# Altium PCB Thermostat_EEM.PCBDOC (part 6 of 10) (continued)
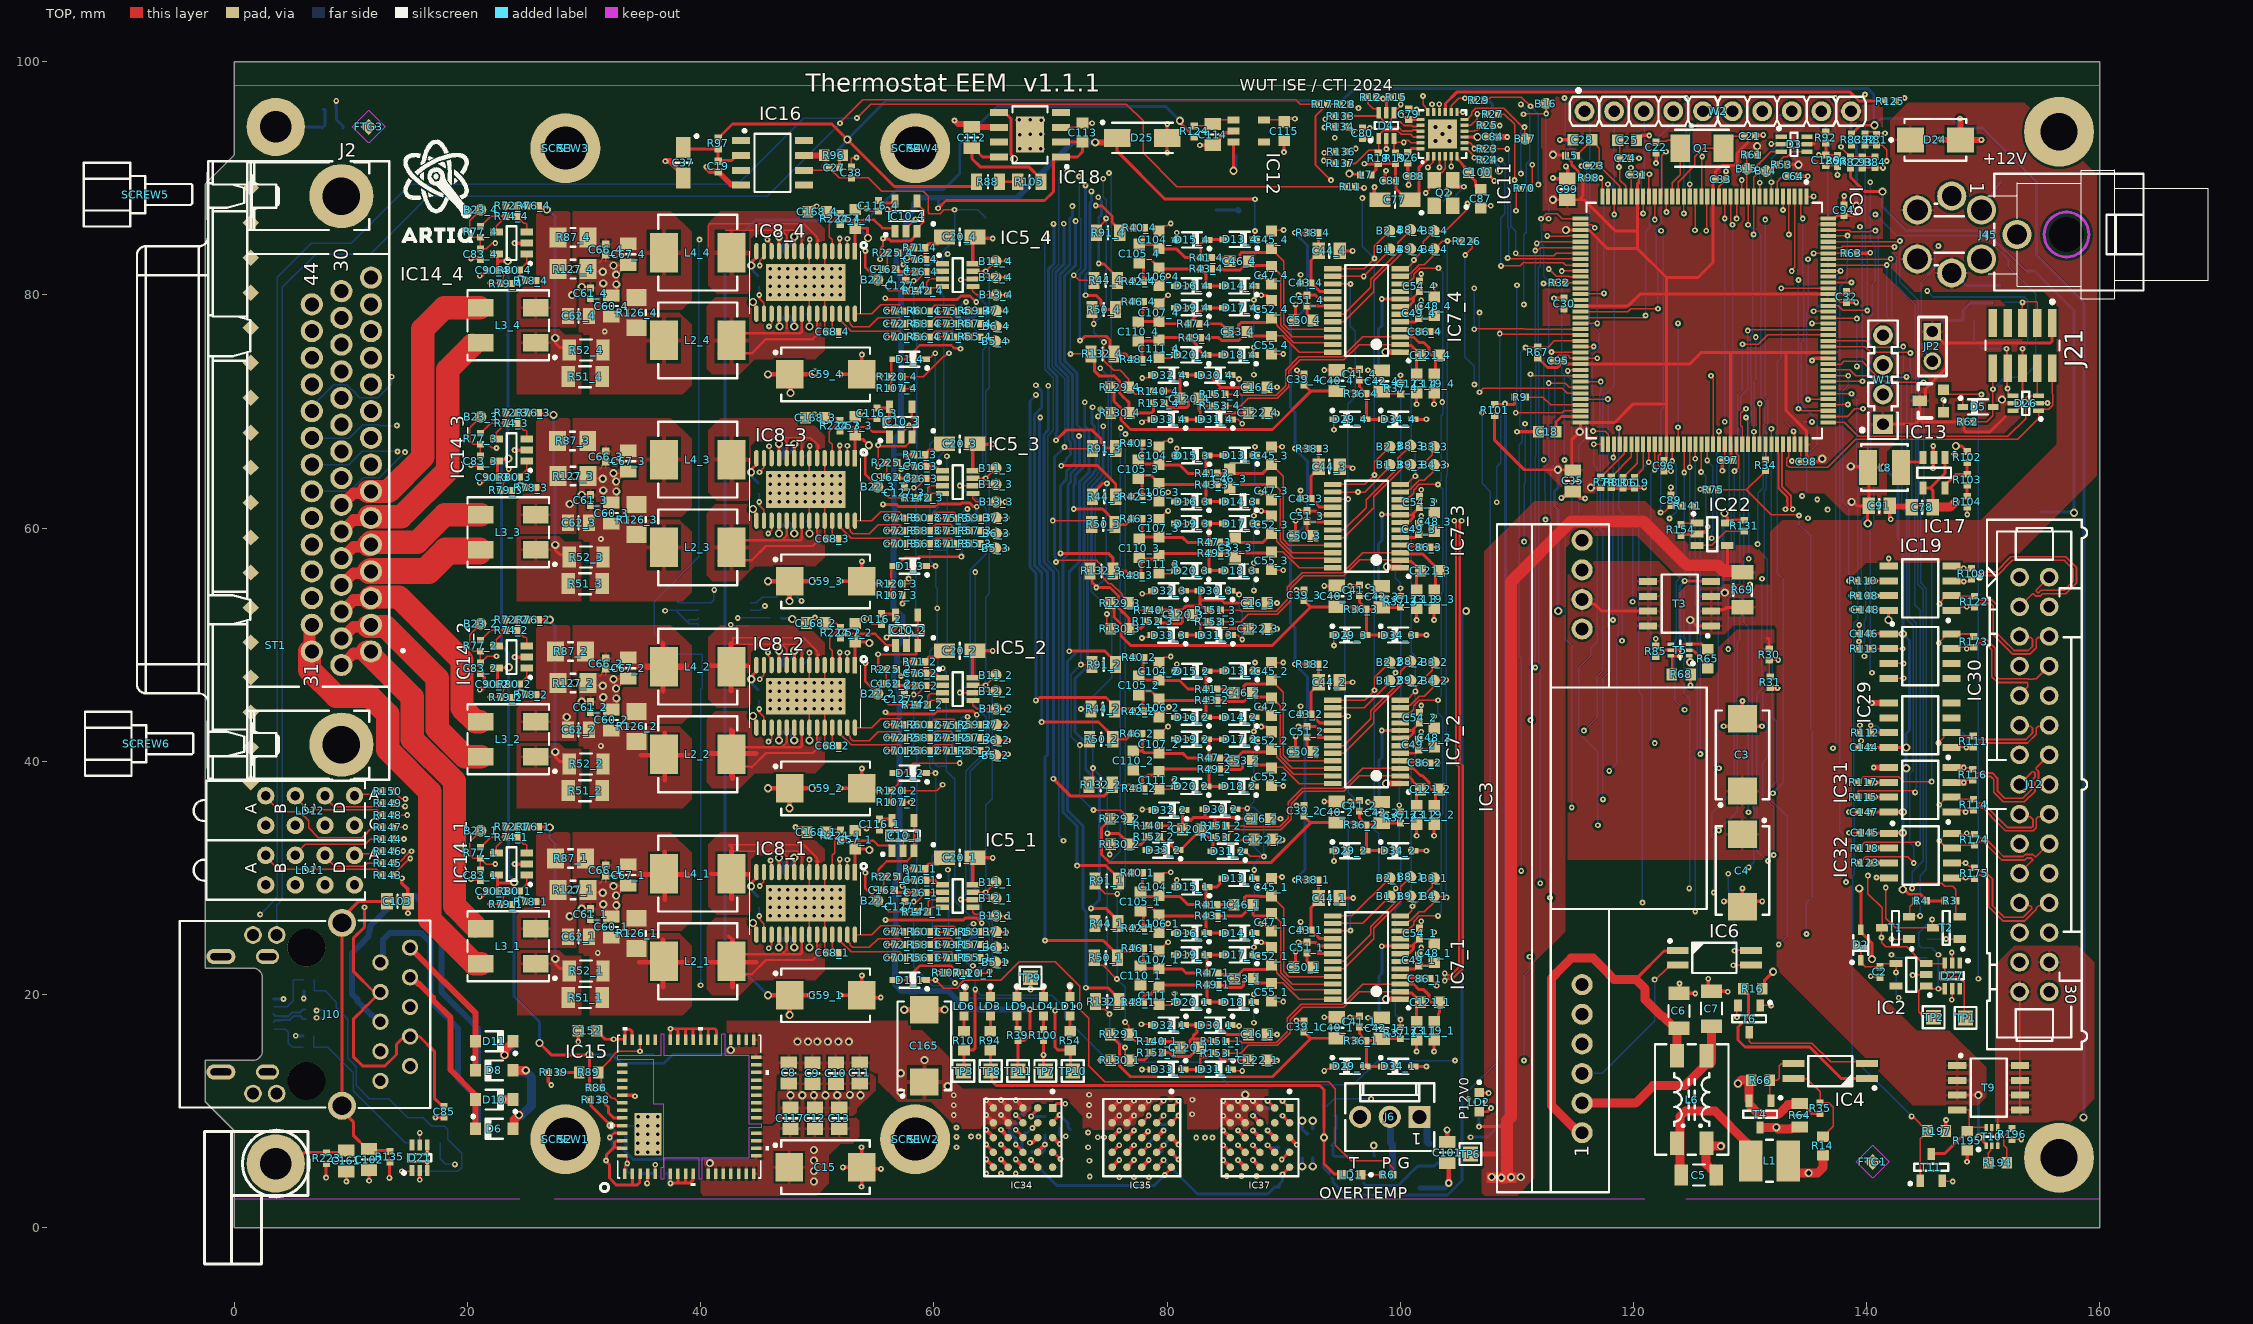
[diagram p0: TOP view]
## Nets (pads, with @x,y where several pads share a name; then routed paths per layer and width w, separated by ;. In a path a pad name is that pad's centre, name@x,y a point inside that pad or via, vN(x,y) a via of type N, cw(c..) or ccw(c..) an arc to the next point about the centre after c; other vN are vias at no path point) (continued)
NetC27_2: C27.2 R96.2 | length 1.2
  TOP w0.254: C27.2@51.9,90.925 51.9,91.675 R96.2@52.2,91.975
NetC34_2: C34.2 IC15.4 R95.1 | length 2.9
  TOP w0.254: v1(35.406,3.81) 35.453,3.857 35.453,4.432 35.482,4.461 IC15.4@35.482,4.547
  BOT w0.254: C34.2@34.801,4.645 34.819,4.662 35.406,4.662 ; v1(35.406,3.81) 35.406,4.662 ; R95.1@36.016,4.699 35.979,4.662 35.406,4.662
NetC36_2: C36.2 IC11.4 Q2.3 | length 5.1
  TOP w0.127: v1(102.193,88.75) 102.477,89.034 102.477,89.407 Q2.3@102.92,89.85 102.92,89.975 103.431,90.487 103.538,90.487 103.87,90.818 IC11.4@103.87,91.9
  BOT w0.127: v1@102.295,88.85 C36.2@103.17,89.725
NetC45_1_1: C45_1.1 C46_1.1 IC7_1.21 R41_1.2 | length 16.5
  TOP w0.127: C45_1.1@88.955,28.423 88.98,28.423 90,27.402 90,21.997 90.449,21.548 IC7_1.21@94.221,21.548
  TOP w0.254: R41_1.2@84.3,27.708 86.479,27.708 86.628,27.856 86.628,28.313 86.777,28.462 87.937,28.462 87.976,28.423 C45_1.1@88.955,28.423
NetC45_2_1: C45_2.1 C46_2.1 IC7_2.21 R41_2.2 | length 16.8
  TOP w0.127: C45_2.1@88.955,46.923 88.98,46.923 89.956,45.947 89.956,40.541 90.449,40.048 IC7_2.21@94.221,40.048
  TOP w0.254: R41_2.2@84.3,46.208 85.411,46.208 C46_2.1@85.738,45.88 86.461,45.88 86.609,46.029 86.609,46.485 86.758,46.634 88.666,46.634 C45_2.1@88.955,46.923
NetC45_3_1: C45_3.1 C46_3.1 IC7_3.21 R41_3.2 | length 16.2
  TOP w0.127: C45_3.1@88.955,65.423 88.98,65.423 89.956,64.447 89.956,59.041 90.449,58.548 IC7_3.21@94.221,58.548
  TOP w0.254: R41_3.2@84.3,64.708 88.214,64.708 88.93,65.423 C45_3.1@88.955,65.423
NetC45_4_1: C45_4.1 C46_4.1 IC7_4.21 R41_4.2 | length 17.2
  TOP w0.127: C45_4.1@88.955,83.923 88.98,83.923 90,82.902 90,77.497 90.449,77.048 IC7_4.21@94.221,77.048
  TOP w0.254: R41_4.2@83.83,83.208 85.077,83.208 C46_4.1@85.38,82.905 86.102,82.905 86.251,83.054 86.251,83.51 86.4,83.659 88.691,83.659 C45_4.1@88.955,83.923
NetC46_1_2: C46_1.2 C47_1.2 IC7_1.22 R43_1.2 | length 16.4
  TOP w0.127: C47_1.2@88.955,26.991 88.98,26.991 89.746,26.224 89.746,21.892 90.74,20.898 IC7_1.22@94.221,20.898
  TOP w0.254: R43_1.2@84.3,26.74 86.415,26.74 87.357,27.683 C46_1.2@87.357,27.708 87.357,26.889 87.506,26.74 88.704,26.74 C47_1.2@88.955,26.991
NetC46_2_2: C46_2.2 C47_2.2 IC7_2.22 R43_2.2 | length 15.5
  TOP w0.127: C47_2.2@88.955,45.491 88.98,45.491 89.702,44.769 89.702,40.436 90.74,39.398 IC7_2.22@94.221,39.398
  TOP w0.254: R43_2.2@84.3,45.24 85.044,45.24 85.158,45.126 86.609,45.126 C46_2.2@87.338,45.855 ; C46_2.2@87.338,45.88 C46_2.2@87.338,45.855 ; C47_2.2@88.955,45.491 88.938,45.507 87.686,45.507 C46_2.2@87.338,45.855
NetC46_3_2: C46_3.2 C47_3.2 IC7_3.22 R43_3.2 | length 15.1
  TOP w0.127: C47_3.2@88.955,63.991 88.98,63.991 89.702,63.269 89.702,58.936 90.74,57.898 IC7_3.22@94.221,57.898
  TOP w0.254: R43_3.2@84.3,63.74 88.704,63.74 C47_3.2@88.955,63.991
NetC46_4_2: C46_4.2 C47_4.2 IC7_4.22 R43_4.2 | length 16
  TOP w0.127: C47_4.2@88.955,82.491 88.98,82.491 89.746,81.724 89.746,77.392 90.74,76.398 IC7_4.22@94.221,76.398
  TOP w0.254: R43_4.2@83.83,82.24 84.71,82.24 84.8,82.151 86.251,82.151 C46_4.2@86.98,82.88 ; C46_4.2@86.98,82.905 C46_4.2@86.98,82.88 ; C47_4.2@88.955,82.491 88.913,82.532 87.328,82.532 C46_4.2@86.98,82.88
NetC48_1_2: C48_1.2 C49_1.1 IC7_1.5 | length 3.1
  TOP w0.254: IC7_1.5@100.021,22.198 101.315,22.198 C49_1.1@101.596,22.479 102.642,22.479 C48_1.2@102.903,22.739
NetC48_2_2: C48_2.2 C49_2.1 IC7_2.5 | length 3.1
  TOP w0.254: IC7_2.5@100.021,40.698 101.315,40.698 C49_2.1@101.596,40.979 102.642,40.979 C48_2.2@102.903,41.239
NetC48_3_2: C48_3.2 C49_3.1 IC7_3.5 | length 3.1
  TOP w0.254: IC7_3.5@100.021,59.198 101.315,59.198 C49_3.1@101.596,59.479 102.642,59.479 C48_3.2@102.903,59.739
NetC48_4_2: C48_4.2 C49_4.1 IC7_4.5 | length 3.1
  TOP w0.254: IC7_4.5@100.021,77.698 101.315,77.698 C49_4.1@101.596,77.979 102.642,77.979 C48_4.2@102.903,78.239
NetC50_1_2: C50_1.2 C51_1.1 IC7_1.18 | length 3.7
  TOP w0.254: C50_1.2@92.503,22.339 92.503,22.364 92.003,22.864 C51_1.1@92.003,23.586 92.046,23.542 94.177,23.542 IC7_1.18@94.221,23.498
NetC50_2_2: C50_2.2 C51_2.1 IC7_2.18 | length 3.7
  TOP w0.254: C50_2.2@92.503,40.839 92.503,40.864 92.003,41.364 C51_2.1@92.003,42.086 92.046,42.042 94.177,42.042 IC7_2.18@94.221,41.998
NetC50_3_2: C50_3.2 C51_3.1 IC7_3.18 | length 3.7
  TOP w0.254: C50_3.2@92.503,59.339 92.503,59.364 92.003,59.864 C51_3.1@92.003,60.586 92.046,60.542 94.177,60.542 IC7_3.18@94.221,60.498
NetC50_4_2: C50_4.2 C51_4.1 IC7_4.18 | length 3.7
  TOP w0.254: C50_4.2@92.503,77.839 92.503,77.864 92.003,78.364 C51_4.1@92.003,79.086 92.046,79.042 94.177,79.042 IC7_4.18@94.221,78.998
NetC52_1_1: C52_1.1 C53_1.1 IC7_1.23 R47_1.2 | length 11.5
  TOP w0.127: C52_1.1@88.955,22.489 88.98,22.489 89.391,22.077 89.391,21.888 90.869,20.41 93.863,20.41 IC7_1.23@94.123,20.15
  TOP w0.254: R47_1.2@84.371,21.852 84.481,21.741 85.461,21.741 C53_1.1@85.809,21.393 ; C53_1.1@85.809,21.368 C53_1.1@85.809,21.393 ; C52_1.1@88.955,22.489 88.607,22.141 86.557,22.141 C53_1.1@85.809,21.393
NetC52_2_1: C52_2.1 C53_2.1 IC7_2.23 R47_2.2 | length 11.2
  TOP w0.127: C52_2.1@88.955,40.989 88.98,40.989 89.391,40.577 89.391,40.388 90.869,38.91 93.863,38.91 IC7_2.23@94.123,38.65
  TOP w0.254: R47_2.2@84.528,40.292 85.488,40.292 C53_2.1@85.732,40.048 85.732,40.073 86.461,40.802 88.768,40.802 C52_2.1@88.955,40.989
NetC52_3_1: C52_3.1 C53_3.1 IC7_3.23 R47_3.2 | length 11
  TOP w0.127: C52_3.1@88.955,59.489 88.98,59.489 89.391,59.077 89.391,58.888 90.869,57.41 93.863,57.41 IC7_3.23@94.123,57.15
  TOP w0.254: R47_3.2@84.528,58.792 88.233,58.792 88.93,59.489 C52_3.1@88.955,59.489
NetC52_4_1: C52_4.1 C53_4.1 IC7_4.23 R47_4.2 | length 13.5
  TOP w0.127: C52_4.1@88.955,77.989 88.98,77.989 89.391,77.577 89.391,77.388 90.869,75.91 93.863,75.91 IC7_4.23@94.123,75.65
  TOP w0.254: R47_4.2@82.76,77.532 84.607,77.532 85.271,76.868 C53_4.1@85.271,76.843 85.994,76.843 86.142,76.992 86.142,77.448 86.335,77.641 88.607,77.641 C52_4.1@88.955,77.989
NetC53_1_2: C53_1.2 C55_1.2 IC7_1.24 R49_1.2 | length 11.2
  TOP w0.127: C55_1.2@88.955,20.995 89.924,20.995 91.321,19.598 IC7_1.24@94.221,19.598
  TOP w0.254: R49_1.2@84.38,20.842 84.429,20.793 85.051,20.793 85.229,20.614 86.39,20.614 86.538,20.763 86.538,21.219 86.687,21.368 C53_1.2@87.409,21.368 87.409,21.343 87.757,20.995 88.748,20.995 C55_1.2@88.851,20.892
NetC53_2_2: C53_2.2 C55_2.2 IC7_2.24 R49_2.2 | length 11.1
  TOP w0.127: C55_2.2@88.955,39.495 89.924,39.495 91.321,38.098 IC7_2.24@94.221,38.098
  TOP w0.254: R49_2.2@84.528,39.342 84.575,39.294 86.312,39.294 86.461,39.443 86.461,39.899 86.609,40.048 C53_2.2@87.332,40.048 87.332,40.023 87.68,39.675 88.775,39.675 C55_2.2@88.955,39.495
NetC53_3_2: C53_3.2 C55_3.2 IC7_3.24 R49_3.2 | length 10.2
  TOP w0.127: C55_3.2@88.955,57.995 89.924,57.995 91.321,56.598 IC7_3.24@94.221,56.598
  TOP w0.254: R49_3.2@84.528,57.842 85.789,57.842 85.837,57.89 88.849,57.89 C55_3.2@88.851,57.892
NetC53_4_2: C53_4.2 C55_4.2 IC7_4.24 R49_4.2 | length 12.5
  TOP w0.127: C55_4.2@88.955,76.495 89.924,76.495 91.321,75.098 IC7_4.24@94.221,75.098
  TOP w0.254: R49_4.2@82.898,76.342 84.439,76.342 84.691,76.089 86.142,76.089 86.871,76.818 C53_4.2@86.871,76.843 87.219,76.495 C55_4.2@88.955,76.495
NetC64_2: C64.2 IC9.6 | length 2.4
  TOP w0.127: IC9.6@132.328,88.444 132.328,89.717 132.646,90.035 133.101,90.035 C64.2@133.253,90.187
NetC65_2: C65.2 IC11.5 Q2.1 | length 5.4
  TOP w0.127: v1(104.168,88.75) 104.168,88.002 Q2.1@104.52,87.65 ; v1(104.37,91.03) IC11.5@104.37,91.9
  L2 w0.127: v1(104.168,88.75) 104.168,90.727 104.37,90.929 v1(104.37,91.03)
  BOT w0.127: C65.2@103.639,88.005 104.096,88.462 104.096,88.679 v1(104.168,88.75)
NetC68_1_2: C68_1.2 IC8_1.25 | length 1.8
  TOP w0.127: IC8_1.25@51.282,25.145 51.307,25.12 51.307,24.04 C68_1.2@51.757,23.59
NetC68_2_2: C68_2.2 IC8_2.25 | length 1.8
  TOP w0.127: IC8_2.25@51.282,42.895 51.307,42.87 51.307,41.79 C68_2.2@51.757,41.34
NetC68_3_2: C68_3.2 IC8_3.25 | length 1.8
  TOP w0.127: IC8_3.25@51.282,60.645 51.307,60.62 51.307,59.54 C68_3.2@51.757,59.09
NetC68_4_2: C68_4.2 IC8_4.25 | length 1.8
  TOP w0.127: IC8_4.25@51.282,78.395 51.307,78.37 51.307,77.29 C68_4.2@51.757,76.84
NetC71_1_1: C71_1.1 R55_1.2 R56_1.1 | length 3.8
  TOP w0.127: R56_1.1@59.62,23.157 59.62,23.177 60.101,23.658 61.475,23.658 C71_1.1@61.975,23.157 R55_1.2@63.025,23.157
NetC71_2_1: C71_2.1 R55_2.2 R56_2.1 | length 3.8
  TOP w0.127: R56_2.1@59.62,40.907 59.62,40.927 60.101,41.408 61.475,41.408 C71_2.1@61.975,40.907 R55_2.2@63.025,40.907
NetC71_3_1: C71_3.1 R55_3.2 R56_3.1 | length 3.8
  TOP w0.127: R56_3.1@59.62,58.657 59.62,58.677 60.101,59.158 61.475,59.158 C71_3.1@61.975,58.657 R55_3.2@63.025,58.657
NetC71_4_1: C71_4.1 R55_4.2 R56_4.1 | length 3.8
  TOP w0.127: R56_4.1@59.62,76.407 59.62,76.427 60.101,76.908 61.475,76.908 C71_4.1@61.975,76.407 R55_4.2@63.025,76.407
NetC73_1_1: C73_1.1 R57_1.2 R58_1.1 | length 3.9
  TOP w0.127: R58_1.1@59.62,24.286 59.62,24.306 60.144,24.83 61.431,24.83 C73_1.1@61.975,24.286 R57_1.2@63.055,24.286
NetC73_2_1: C73_2.1 R57_2.2 R58_2.1 | length 3.9
  TOP w0.127: R58_2.1@59.62,42.036 59.62,42.056 60.144,42.58 61.431,42.58 C73_2.1@61.975,42.036 R57_2.2@63.055,42.036
NetC73_3_1: C73_3.1 R57_3.2 R58_3.1 | length 3.9
  TOP w0.127: R58_3.1@59.62,59.786 59.62,59.806 60.144,60.33 61.431,60.33 C73_3.1@61.975,59.786 R57_3.2@63.055,59.786
NetC73_4_1: C73_4.1 R57_4.2 R58_4.1 | length 3.9
  TOP w0.127: R58_4.1@59.62,77.536 59.62,77.556 60.144,78.08 61.431,78.08 C73_4.1@61.975,77.536 R57_4.2@63.055,77.536
NetC75_1_1: C75_1.1 R59_1.2 R60_1.1 | length 4.1
  TOP w0.127: R60_1.1@59.62,25.383 60.095,25.858 61.701,25.858 61.775,25.784 61.775,25.345 63.018,25.345 R59_1.2@63.055,25.383
NetC75_2_1: C75_2.1 R59_2.2 R60_2.1 | length 4.1
  TOP w0.127: R60_2.1@59.62,43.133 60.095,43.608 61.701,43.608 61.775,43.534 61.775,43.095 63.018,43.095 R59_2.2@63.055,43.133
NetC75_3_1: C75_3.1 R59_3.2 R60_3.1 | length 4.1
  TOP w0.127: R60_3.1@59.62,60.883 60.095,61.358 61.701,61.358 61.775,61.284 61.775,60.845 63.018,60.845 R59_3.2@63.055,60.883
NetC75_4_1: C75_4.1 R59_4.2 R60_4.1 | length 4.1
  TOP w0.127: R60_4.1@59.62,78.633 60.095,79.108 61.701,79.108 61.775,79.034 61.775,78.595 63.018,78.595 R59_4.2@63.055,78.633
NetC82_2: C82.2 D28.2 R121.1 T8.1 | length 5.4
  BOT w0.254: C82.2@94.388,9.68 94.505,9.562 R121.1@94.505,8.502 ; R121.1@94.408,8.502 94.408,7.346 94.121,7.059 94.244,6.936 94.244,6.257 94.392,6.108 95.862,6.108 T8.1@95.888,6.135
NetC86_1_1: C86_1.1 IC7_1.4 | length 1.6
  TOP w0.254: IC7_1.4@100.021,21.548 100.111,21.458 C86_1.1@101.563,21.458
NetC86_2_1: C86_2.1 IC7_2.4 | length 1.7
  TOP w0.254: IC7_2.4@100.021,40.048 100.111,39.958 101.563,39.958 C86_2.1@101.653,39.868
NetC86_3_1: C86_3.1 IC7_3.4 | length 1.7
  TOP w0.254: IC7_3.4@100.021,58.548 100.111,58.458 101.563,58.458 C86_3.1@101.653,58.368
NetC86_4_1: C86_4.1 IC7_4.4 | length 1.6
  TOP w0.254: IC7_4.4@100.021,77.048 100.111,76.958 C86_4.1@101.563,76.958
NetC87_2: C87.2 C100.2 IC11.6 | length 3.7
  TOP w0.254: IC11.6@104.87,91.9 104.883,91.887 104.883,91.682 105.297,91.268 105.297,91.223 106.078,90.442 106.078,90.129 106.437,89.769 106.437,89.361 106.623,89.175 C87.2@106.901,89.175
NetC102_1: C102.1 C103.1 J10.S1 J10.S2 R135.1 | length 27.6
  TOP w0.254: J10.S2@9.004,10.3 10.212,9.092 10.212,7.926 C102.1@11.389,6.75 ; J10.S1@9.004,25.79 8.739,26.055 10.684,28 C103.1@13.1,28 ; J10.S2@9.239,10.465 J10.S1@9.239,26.155 ; C102.1@11.564,6.75 11.678,6.636 13.274,6.636 R135.1@13.356,6.553
NetC104_1_1: C104_1.1 C105_1.1 D13_1.2 D15_1.1 R40_1.2 R41_1.1 | length 11.3
  TOP w0.254: R40_1.2@77.9,30.443 77.9,28.952 C105_1.1@77.723,28.775 78.071,28.427 79.203,28.427 C104_1.1@79.292,28.338 ; C104_1.1@79.292,28.431 81.069,28.431 81.793,27.708 R41_1.1@83.36,27.708 83.36,29.148 83.447,29.235 84.27,29.235 84.557,29.522 84.557,29.839 84.68,29.962 D13_1.2@84.88,29.962
NetC104_2_1: C104_2.1 C105_2.1 D13_2.2 D15_2.1 R40_2.2 R41_2.1 | length 11.3
  TOP w0.254: C105_2.1@77.583,47.311 77.608,47.311 77.956,47.659 77.956,48.816 R40_2.2@78.053,48.913 ; C105_2.1@77.59,47.311 77.938,46.963 79.167,46.963 C104_2.1@79.292,46.838 ; C104_2.1@79.292,46.931 81.069,46.931 81.793,46.208 R41_2.1@83.36,46.208 83.36,47.648 83.456,47.744 85.088,47.744 D13_2.2@85.089,47.743
NetC104_3_1: C104_3.1 C105_3.1 D13_3.2 D15_3.1 R40_3.2 R41_3.1 | length 11.2
  TOP w0.254: R40_3.2@77.864,67.306 77.864,66.202 C105_3.1@77.519,65.858 77.867,65.51 79.12,65.51 C104_3.1@79.292,65.338 ; C104_3.1@79.292,65.431 81.069,65.431 81.793,64.708 R41_3.1@83.36,64.708 83.36,66.148 83.456,66.244 85.088,66.244 D13_3.2@85.089,66.243
NetC104_4_1: C104_4.1 C105_4.1 D13_4.2 D15_4.1 R40_4.2 R41_4.1 | length 10.7
  TOP w0.254: C105_4.1@77.618,84.348 C105_4.1@77.938,84.348 ; R40_4.2@78.088,85.775 78.088,85.084 77.991,84.987 77.991,84.401 C105_4.1@77.938,84.348 ; C104_4.1@79.292,83.931 79.267,83.931 78.85,84.348 C105_4.1@77.938,84.348 ; C104_4.1@79.36,83.838 79.453,83.931 80.834,83.931 81.558,83.208 R41_4.1@82.89,83.208 82.89,84.378 83.256,84.744 85.088,84.744 D13_4.2@85.089,84.743
NetC105_1_2: C105_1.2 C106_1.2 D14_1.2 D16_1.1 R42_1.2 R43_1.1 | length 10.7
  TOP w0.254: R42_1.2@77.99,25.696 77.99,26.908 C105_1.2@77.723,27.175 78.071,27.523 78.35,27.523 78.36,27.534 78.614,27.534 79.267,26.881 79.292,26.881 79.432,26.74 R43_1.1@83.36,26.74 83.36,25.321 D16_1.1@83.399,25.282 D14_1.2@84.894,25.282
NetC105_2_2: C105_2.2 C106_2.2 D14_2.2 D16_2.1 R42_2.2 R43_2.1 | length 10.8
  TOP w0.254: R42_2.2@77.989,44.298 77.956,44.331 77.956,45.363 77.608,45.711 C105_2.2@77.583,45.711 77.905,46.034 78.614,46.034 79.267,45.381 79.292,45.381 79.432,45.24 R43_2.1@83.36,45.24 83.36,43.821 D16_2.1@83.399,43.782 D14_2.2@84.894,43.782
NetC105_3_2: C105_3.2 C106_3.2 D14_3.2 D16_3.1 R42_3.2 R43_3.1 | length 10.9
  TOP w0.254: R42_3.2@77.864,62.713 77.864,63.913 C105_3.2@77.519,64.258 77.796,64.534 78.614,64.534 79.267,63.881 79.292,63.881 79.432,63.74 R43_3.1@83.36,63.74 83.36,62.321 D16_3.1@83.399,62.282 D14_3.2@84.894,62.282
NetC105_4_2: C105_4.2 C106_4.2 D14_4.2 D16_4.1 R42_4.2 R43_4.1 | length 10.6
  TOP w0.254: R42_4.2@77.989,81.183 77.989,82.4 77.641,82.748 C105_4.2@77.618,82.748 77.903,83.034 78.614,83.034 79.267,82.381 79.292,82.381 79.432,82.24 R43_4.1@82.89,82.24 82.89,82.22 83.36,81.75 83.36,80.905 83.399,80.865 D16_4.1@83.399,80.782 D14_4.2@84.894,80.782
NetC107_1_1: C107_1.1 C110_1.1 D17_1.2 D19_1.1 R46_1.2 R47_1.1 | length 10.6
  TOP w0.254: R46_1.2@77.99,23.978 77.99,22.698 C110_1.1@77.728,22.436 77.923,22.242 79.239,22.242 79.292,22.189 81.298,22.189 81.635,21.852 R47_1.1@83.431,21.852 D19_1.1@83.431,23.275 ; D19_1.1@83.399,23.398 83.465,23.333 D19_1.1@83.465,23.275 ; D19_1.1@83.465,23.398 D17_1.2@84.915,23.398
NetC107_2_1: C107_2.1 C110_2.1 D17_2.2 D19_2.1 R46_2.2 R47_2.1 | length 11.3
  TOP w0.254: C110_2.1@77.103,40.873 77.908,40.873 ; R46_2.2@77.869,42.387 77.908,42.348 77.908,40.873 ; R47_2.1@83.588,40.292 81.744,40.292 81.346,40.689 79.292,40.689 79.239,40.742 78.04,40.742 77.908,40.873 ; R47_2.1@83.588,40.312 83.588,41.775 83.465,41.898 D17_2.2@84.915,41.898
NetC107_3_1: C107_3.1 C110_3.1 D17_3.2 D19_3.1 R46_3.2 R47_3.1 | length 11
  TOP w0.254: C110_3.1@77.608,59.078 C110_3.1@77.772,59.242 ; R46_3.2@77.873,60.814 77.873,59.343 C110_3.1@77.772,59.242 ; D19_3.1@83.399,60.398 D17_3.2@84.915,60.398 ; D19_3.1@83.465,60.398 83.588,60.275 R47_3.1@83.588,58.812 ; R47_3.1@83.588,58.792 81.744,58.792 81.346,59.189 79.292,59.189 79.239,59.242 C110_3.1@77.772,59.242
NetC107_4_1: C107_4.1 C110_4.1 D17_4.2 D19_4.1 R46_4.2 R47_4.1 | length 9.8
  TOP w0.254: R46_4.2@77.989,79.441 77.989,78.673 77.917,78.601 77.917,78.016 77.569,77.668 C110_4.1@77.544,77.668 77.618,77.742 79.239,77.742 79.449,77.532 R47_4.1@81.82,77.532 81.82,77.552 82.514,78.245 82.546,78.245 83.199,78.898 D19_4.1@83.399,78.898 ; D19_4.1@83.588,78.898 D17_4.2@84.915,78.898
NetC109_2: C109.2 D21.5 FB1.1 R73.2 | length 16.3
  TOP w0.127: D21.5@15.9,7.1 15.9,8.135 v1(15.904,8.138)
  BOT w0.127: C109.2@6.784,16.431 6.819,16.396 FB1.1@6.819,15.481 8.037,15.481 10.219,13.299 10.219,11.742 14.686,7.275 R73.2@16.075,7.275 ; R73.2@15.904,7.397 v1(15.904,8.138)
NetC110_1_2: C110_1.2 C111_1.2 D18_1.2 D20_1.1 R48_1.2 R49_1.1 | length 10.4
  TOP w0.254: C110_1.2@77.728,20.836 77.908,20.656 77.908,20.203 78.124,19.988 78.146,19.988 ; R48_1.2@77.99,19.344 77.908,19.426 77.908,19.75 78.146,19.988 ; D18_1.2@84.844,19.355 D20_1.1@83.379,19.355 83.44,19.416 R49_1.1@83.44,20.842 79.439,20.842 79.292,20.695 79.267,20.695 78.56,19.988 78.146,19.988
NetC110_2_2: C110_2.2 C111_2.2 D18_2.2 D20_2.1 R48_2.2 R49_2.1 | length 10.9
  TOP w0.254: C110_2.2@77.103,39.273 77.128,39.273 77.681,38.72 77.908,38.72 ; R48_2.2@78.053,37.694 77.908,37.839 77.908,38.72 ; D18_2.2@84.844,37.855 83.469,37.855 83.588,37.974 83.588,39.223 83.469,39.342 79.439,39.342 78.944,38.847 78.411,38.847 78.284,38.72 77.908,38.72
NetC110_3_2: C110_3.2 C111_3.2 D18_3.2 D20_3.1 R48_3.2 R49_3.1 | length 10.6
  TOP w0.254: C110_3.2@77.608,57.478 C110_3.2@77.786,57.3 ; R48_3.2@77.786,55.947 77.786,57.178 C110_3.2@77.908,57.3 ; C110_3.2@77.908,57.22 77.908,57.274 77.981,57.347 78.944,57.347 79.439,57.842 83.469,57.842 83.588,57.723 83.588,56.478 83.465,56.355 D20_3.1@83.379,56.355 D18_3.2@84.844,56.355
NetC110_4_2: C110_4.2 C111_4.2 D18_4.2 D20_4.1 R48_4.2 R49_4.1 | length 9.9
  TOP w0.254: R48_4.2@77.864,74.469 77.864,75.749 C110_4.2@77.544,76.068 79.165,76.068 79.439,76.342 R49_4.1@81.958,76.342 81.958,76.322 82.588,75.691 82.588,75.445 83.179,74.855 D20_4.1@83.379,74.855 D18_4.2@84.844,74.855
NetC112_1: C112.1 IC18.8 R105.2 | length 9.9
  TOP w0.254: C112.1@63.27,92.558 63.27,91.694 63.974,90.99 68.145,90.99 69.198,89.938 R105.2@69.198,89.713 ; C112.1@63.663,92.362 64.18,91.845 IC18.8@65.6,91.845
NetC114_1: C114.1 IC12.1 R124.2 | length 3.6
  TOP w0.127: R124.2@82.339,94.495 83.743,94.495 84.256,95.008 IC12.1@85.706,95.008
NetC118_1: C118.1 IC15.48 IC15.57 R86.1 R89.2 | length 10.4
  TOP w0.127: R89.2@31.19,13.284 31.495,12.979 R86.1@31.495,12.02 ; R89.2@31.198,13.32 31.198,13.37 32.282,14.454 32.282,14.554 32.869,15.141 34.672,15.141 v1@34.695,15.164 ; R86.1@31.571,12.014 31.571,11.924 32.395,11.1 32.597,11.1 32.976,10.72 IC15.57@33.276,10.72 ; v1(34.801,15.141) IC15.48@34.801,16.145
  L2 w0.127: v1@34.801,15.067 v1(34.801,15.141)
  BOT w0.127: v1@34.822,15.138 34.876,15.138 35.149,14.865 C118.1@35.986,14.865
NetC120_1_1: C120_1.1 C122_1.2 D31_1.2 D33_1.1 R152_1.2 R153_1.1 | length 11.5
  TOP w0.254: R152_1.2@79.609,15.031 80.216,15.031 80.365,14.882 80.365,14.85 80.513,14.702 81.965,14.702 82.694,15.431 C120_1.1@82.694,15.456 82.849,15.301 82.849,14.631 ; D33_1.1@81.394,13.581 D31_1.2@82.849,13.581 82.849,14.631 ; R153_1.1@84.119,14.981 R153_1.1@84.119,14.961 ; C122_1.2@86.969,14.381 84.699,14.381 R153_1.1@84.119,14.961 ; 82.849,14.631 83.383,14.631 83.55,14.798 83.956,14.798 R153_1.1@84.119,14.961
NetC120_2_1: C120_2.1 C122_2.2 D31_2.2 D33_2.1 R152_2.2 R153_2.1 | length 11.2
  TOP w0.254: R152_2.2@79.344,33.533 79.344,33.513 79.921,32.936 80.228,32.936 80.724,32.44 81.207,32.44 82.53,33.763 82.586,33.763 C120_2.1@82.934,34.111 ; C120_2.1@82.934,34.136 C120_2.1@82.934,34.111 ; D31_2.2@83.901,32.289 83.901,32.776 83.956,32.831 83.956,33.318 R153_2.1@84.119,33.481 ; C122_2.2@87.444,33.3 87.38,33.236 86.039,33.236 85.72,32.917 84.663,32.917 84.119,33.461 R153_2.1@84.119,33.481 ; C120_2.1@82.934,34.111 83.564,33.481 R153_2.1@84.119,33.481
NetC120_3_1: C120_3.1 C122_3.2 D31_3.2 D33_3.1 R152_3.2 R153_3.1 | length 11.7
  TOP w0.254: R152_3.2@79.264,52.031 79.412,51.882 79.935,51.882 80.013,51.803 81.174,51.803 81.323,51.952 81.323,52.408 81.471,52.557 C120_3.1@82.194,52.557 82.194,52.532 82.849,51.877 82.849,51.631 ; D33_3.1@81.438,50.831 D31_3.2@82.849,50.831 82.849,51.631 ; C122_3.2@86.969,51.381 83.96,51.381 83.812,51.529 83.812,51.818 R153_3.1@83.649,51.981 83.486,51.818 83.486,51.8 83.018,51.8 82.849,51.631
NetC120_4_1: C120_4.1 C122_4.2 D31_4.2 D33_4.1 R152_4.2 R153_4.1 | length 12.2
  TOP w0.254: R152_4.2@79.762,70.727 79.762,70.707 80.105,70.364 81.704,70.364 81.853,70.513 81.853,70.97 82.001,71.118 C120_4.1@82.724,71.118 ; D33_4.1@81.394,69.331 D31_4.2@82.849,69.331 82.849,70.037 82.724,70.162 C120_4.1@82.724,71.118 ; C120_4.1@82.724,71.093 83.337,70.481 R153_4.1@84.058,70.481 84.058,70.461 84.638,69.881 C122_4.2@86.969,69.881 ; C120_4.1@82.774,71.518 82.774,71.168 C120_4.1@82.724,71.118
NetC152_2: C152.2 IC15.2 IC15.3 IC15.49 IC15.50 IC15.62 IC15.63 | length 25.5
  TOP w0.254: C152.2@31.089,16.887 31.089,16.862 31.437,16.514 31.462,16.514 31.808,16.168 v1(32.539,16.168) 33.478,16.168 IC15.50@33.501,16.145 ; IC15.63@33.171,6.807 33.135,6.843 32.787,6.843 32.629,7.001 ; IC15.62@33.276,7.47 33.253,7.447 32.744,7.447 32.604,7.307 32.604,7.026 32.629,7.001 ; IC15.50@33.501,16.154 33.501,16.844 33.65,16.993 33.958,16.993 34.128,16.823 34.128,16.168 IC15.49@34.151,16.145 ; 34.136,3.708 34.151,3.724 IC15.2@34.151,4.645 ; IC15.3@34.797,4.597 34.778,4.579 34.778,3.893 34.543,3.658 32.79,3.658 32.18,4.267 32.18,5.4 31.879,5.702 v1(31.879,5.768) 31.926,5.815 31.926,6.273 32.629,6.976 32.629,7.001
  L2 w0.254: v1(31.879,5.768) 31.879,6.448 33.171,7.74 33.171,10.972 32.539,11.603 v1(32.539,16.168)
NetC159_1: C159.1 IC34.A2 IC35.A2 IC37.A2 | length 24.5
  TOP w0.254: IC34.A2@70.182,9.069 v1@70.711,9.602 ; v1@70.711,9.599 v1@70.711,9.602 ; v1@70.711,9.752 v1@70.711,9.602 ; v1(70.789,9.68) v1@70.711,9.602 ; IC35.A2@80.37,9.01 v1@80.9,9.542 ; v1@80.9,9.539 v1@80.9,9.542 ; v1@80.9,9.692 v1@80.9,9.542 ; v1(80.978,9.62) v1@80.9,9.542 ; v1(89.897,9.613) IC37.A2@90.508,9.006
  L2 w0.254: v1(70.789,9.68) 71.353,9.116 80.474,9.116 v1(80.978,9.62) 81.489,9.109 89.393,9.109 v1(89.897,9.613)
  BOT w0.254: v1(70.789,9.68) 71.518,8.951 71.518,8.596 C159.1@71.666,8.448
NetC160_1: C160.1 R220.1 ST1.1 | length 5.8
  BOT w0.254: ST1.1@3.556,94.412 7.425,94.412 C160.1@7.525,94.312 7.772,94.559 7.772,95.891 7.764,95.899 R220.1@7.617,95.899
NetC161_1: C161.1 R223.1 ST1.0 | length 6.5
  TOP w0.254: ST1.0@3.556,5.512 4.84,5.512 5.748,6.42 6.035,6.42 6.078,6.462 7.889,6.462 R223.1@7.917,6.434 7.946,6.462 9.452,6.462 C161.1@9.618,6.629
NetC162_1_2: C162_1.2 IC8_1.13 R225_1.2 | length 13.5
  TOP w0.127: v1(45.072,29.312) 45.432,29.672 IC8_1.13@45.432,30.505 ; v1(55.022,29.097) 55.123,29.097 55.264,28.956 C162_1.2@55.702,28.956 55.702,29.895 R225_1.2@55.924,30.116
  L2 w0.127: v1(45.072,29.312) 45.126,29.312 45.333,29.519 54.54,29.519 54.923,29.136 54.983,29.136 v1(55.022,29.097)
NetC162_2_2: C162_2.2 IC8_2.13 R225_2.2 | length 13.8
  TOP w0.127: v1@45.072,47.13 v1(45.072,47.044) 45.432,47.404 IC8_2.13@45.432,48.255 ; v1@55.345,46.674 55.905,46.674 55.905,47.847 R225_2.2@55.885,47.867
  L2 w0.127: v1(45.072,47.044) 45.577,47.044 45.779,47.246 54.756,47.246 55.327,46.674 v1@55.345,46.674
  other v1: 55.32,46.674
NetC162_3_2: C162_3.2 IC8_3.13 R225_3.2 | length 13.9
  TOP w0.127: v1@45.054,64.895 v1(45.054,64.794) 45.432,65.172 IC8_3.13@45.432,66.005 ; v1(55.33,64.464) 55.918,64.464 55.975,64.406 55.975,65.505 R225_3.2@55.901,65.579
  L2 w0.127: v1(45.054,64.794) 45.577,64.794 45.779,64.996 54.703,64.996 55.235,64.464 v1(55.33,64.464)
NetC162_4_2: C162_4.2 IC8_4.13 R225_4.2 | length 13.9
  TOP w0.127: v1(45.071,82.531) 45.071,82.953 45.432,83.313 IC8_4.13@45.432,83.755 ; v1(55.095,82.336) 55.196,82.336 55.333,82.199 C162_4.2@55.825,82.199 55.988,82.362 R225_4.2@55.988,83.61
  L2 w0.127: v1(45.071,82.531) 45.565,82.531 45.779,82.746 52.185,82.746 52.595,82.336 v1(55.095,82.336)
NetC168_1_2: C168_1.2 IC8_1.4 R224_1.2 | length 5.3
  TOP w0.127: C168_1.2@50.727,33.932 50.986,34.19 51.9,34.19 51.982,34.108 51.501,33.628 51.501,32.148 51.282,31.929 IC8_1.4@51.282,30.505
NetC168_2_2: C168_2.2 IC8_2.4 R224_2.2 | length 5.2
  TOP w0.127: C168_2.2@50.66,51.865 51.612,51.865 51.983,51.495 51.756,51.269 51.756,51.249 51.329,50.822 ; IC8_2.4@51.282,48.255 51.282,49.491 51.082,49.691 51.082,50.575 51.329,50.822
NetC168_3_2: C168_3.2 IC8_3.4 R224_3.2 | length 5.2
  TOP w0.127: C168_3.2@50.608,69.474 51.712,69.474 R224_3.2@51.941,69.245 ; IC8_3.4@51.282,66.005 51.282,67.183 51.032,67.433 51.032,68.325 51.279,68.572 51.288,68.572 51.715,68.999 51.715,69.019 R224_3.2@51.941,69.245 ; R224_3.2@51.961,69.245 R224_3.2@51.941,69.245
NetC168_4_2: C168_4.2 IC8_4.4 R224_4.2 | length 5
  TOP w0.127: C168_4.2@50.795,87.14 51.817,87.14 51.962,86.995 51.736,86.769 51.736,86.749 51.309,86.322 51.279,86.322 51.032,86.075 51.032,85.007 51.282,84.757 IC8_4.4@51.282,83.755
NetD1_1_2: D1_1.2 IC38_1.1 R107_1.1 R120_1.1 | length 8.9
  TOP w0.203: D1_1.2@56.425,21.244 D1_1.2@56.625,21.244 57.575,21.244 58.813,22.482 61.455,22.482 61.915,22.022 R107_1.1@62.045,22.022 ; R107_1.1@62.045,21.872 62.886,21.872 R120_1.1@62.913,21.845 ; R120_1.1@62.913,21.865 v1@63.296,22.249
  BOT w0.203: IC38_1.1@62.675,23.186 62.675,22.911 63.061,22.525 63.29,22.525 v1(63.345,22.47)
NetD1_2_2: D1_2.2 IC38_2.1 R107_2.1 R120_2.1 | length 10.1
  TOP w0.127: R107_2.1@56.355,36.494 56.355,37.482 56.939,38.066 56.939,38.807 D1_2.2@56.753,38.994 ; D1_2.2@56.689,38.994 D1_2.2@56.753,38.994 ; v1(62.222,39.848) 58.223,39.848 57.369,38.994 D1_2.2@56.753,38.994
  BOT w0.127: v1(62.222,39.848) 62.222,39.949 62.353,40.081 IC38_2.1@62.353,41.208
NetD1_3_2: D1_3.2 IC38_3.1 R107_3.1 R120_3.1 | length 10.1
  TOP w0.203: R107_3.1@56.355,54.244 R120_3.1@56.355,55.244 D1_3.2@56.355,56.914 ; D1_3.2@56.625,56.744 56.825,56.744 57.559,57.478 58.615,57.478 58.695,57.558 v1(62.363,57.558)
  BOT w0.203: v1(62.363,57.558) 62.406,57.602 62.406,58.805 IC38_3.1@62.45,58.849
NetD1_4_2: D1_4.2 IC38_4.1 R107_4.1 R120_4.1 | length 10.2
  TOP w0.203: R107_4.1@56.355,71.994 R120_4.1@56.355,72.994 56.355,74.345 56.31,74.345 56.458,74.494 D1_4.2@56.625,74.494 57.597,74.494 58.794,75.691 61.486,75.691 61.737,75.441 62.223,75.441 v1(62.28,75.384)
  BOT w0.203: v1(62.28,75.384) IC38_4.1@62.28,76.539
NetD12_1: D12.1 J6.2 T7.3 | length 5.3
  BOT w0.6: J6.2@99.103,9.517 99.176,9.444 99.176,7.298 D12.1@99.249,7.224 99.322,7.152 99.322,4.357 T7.3@99.394,4.357